# KiCad board m-blanc.kicad_pcb
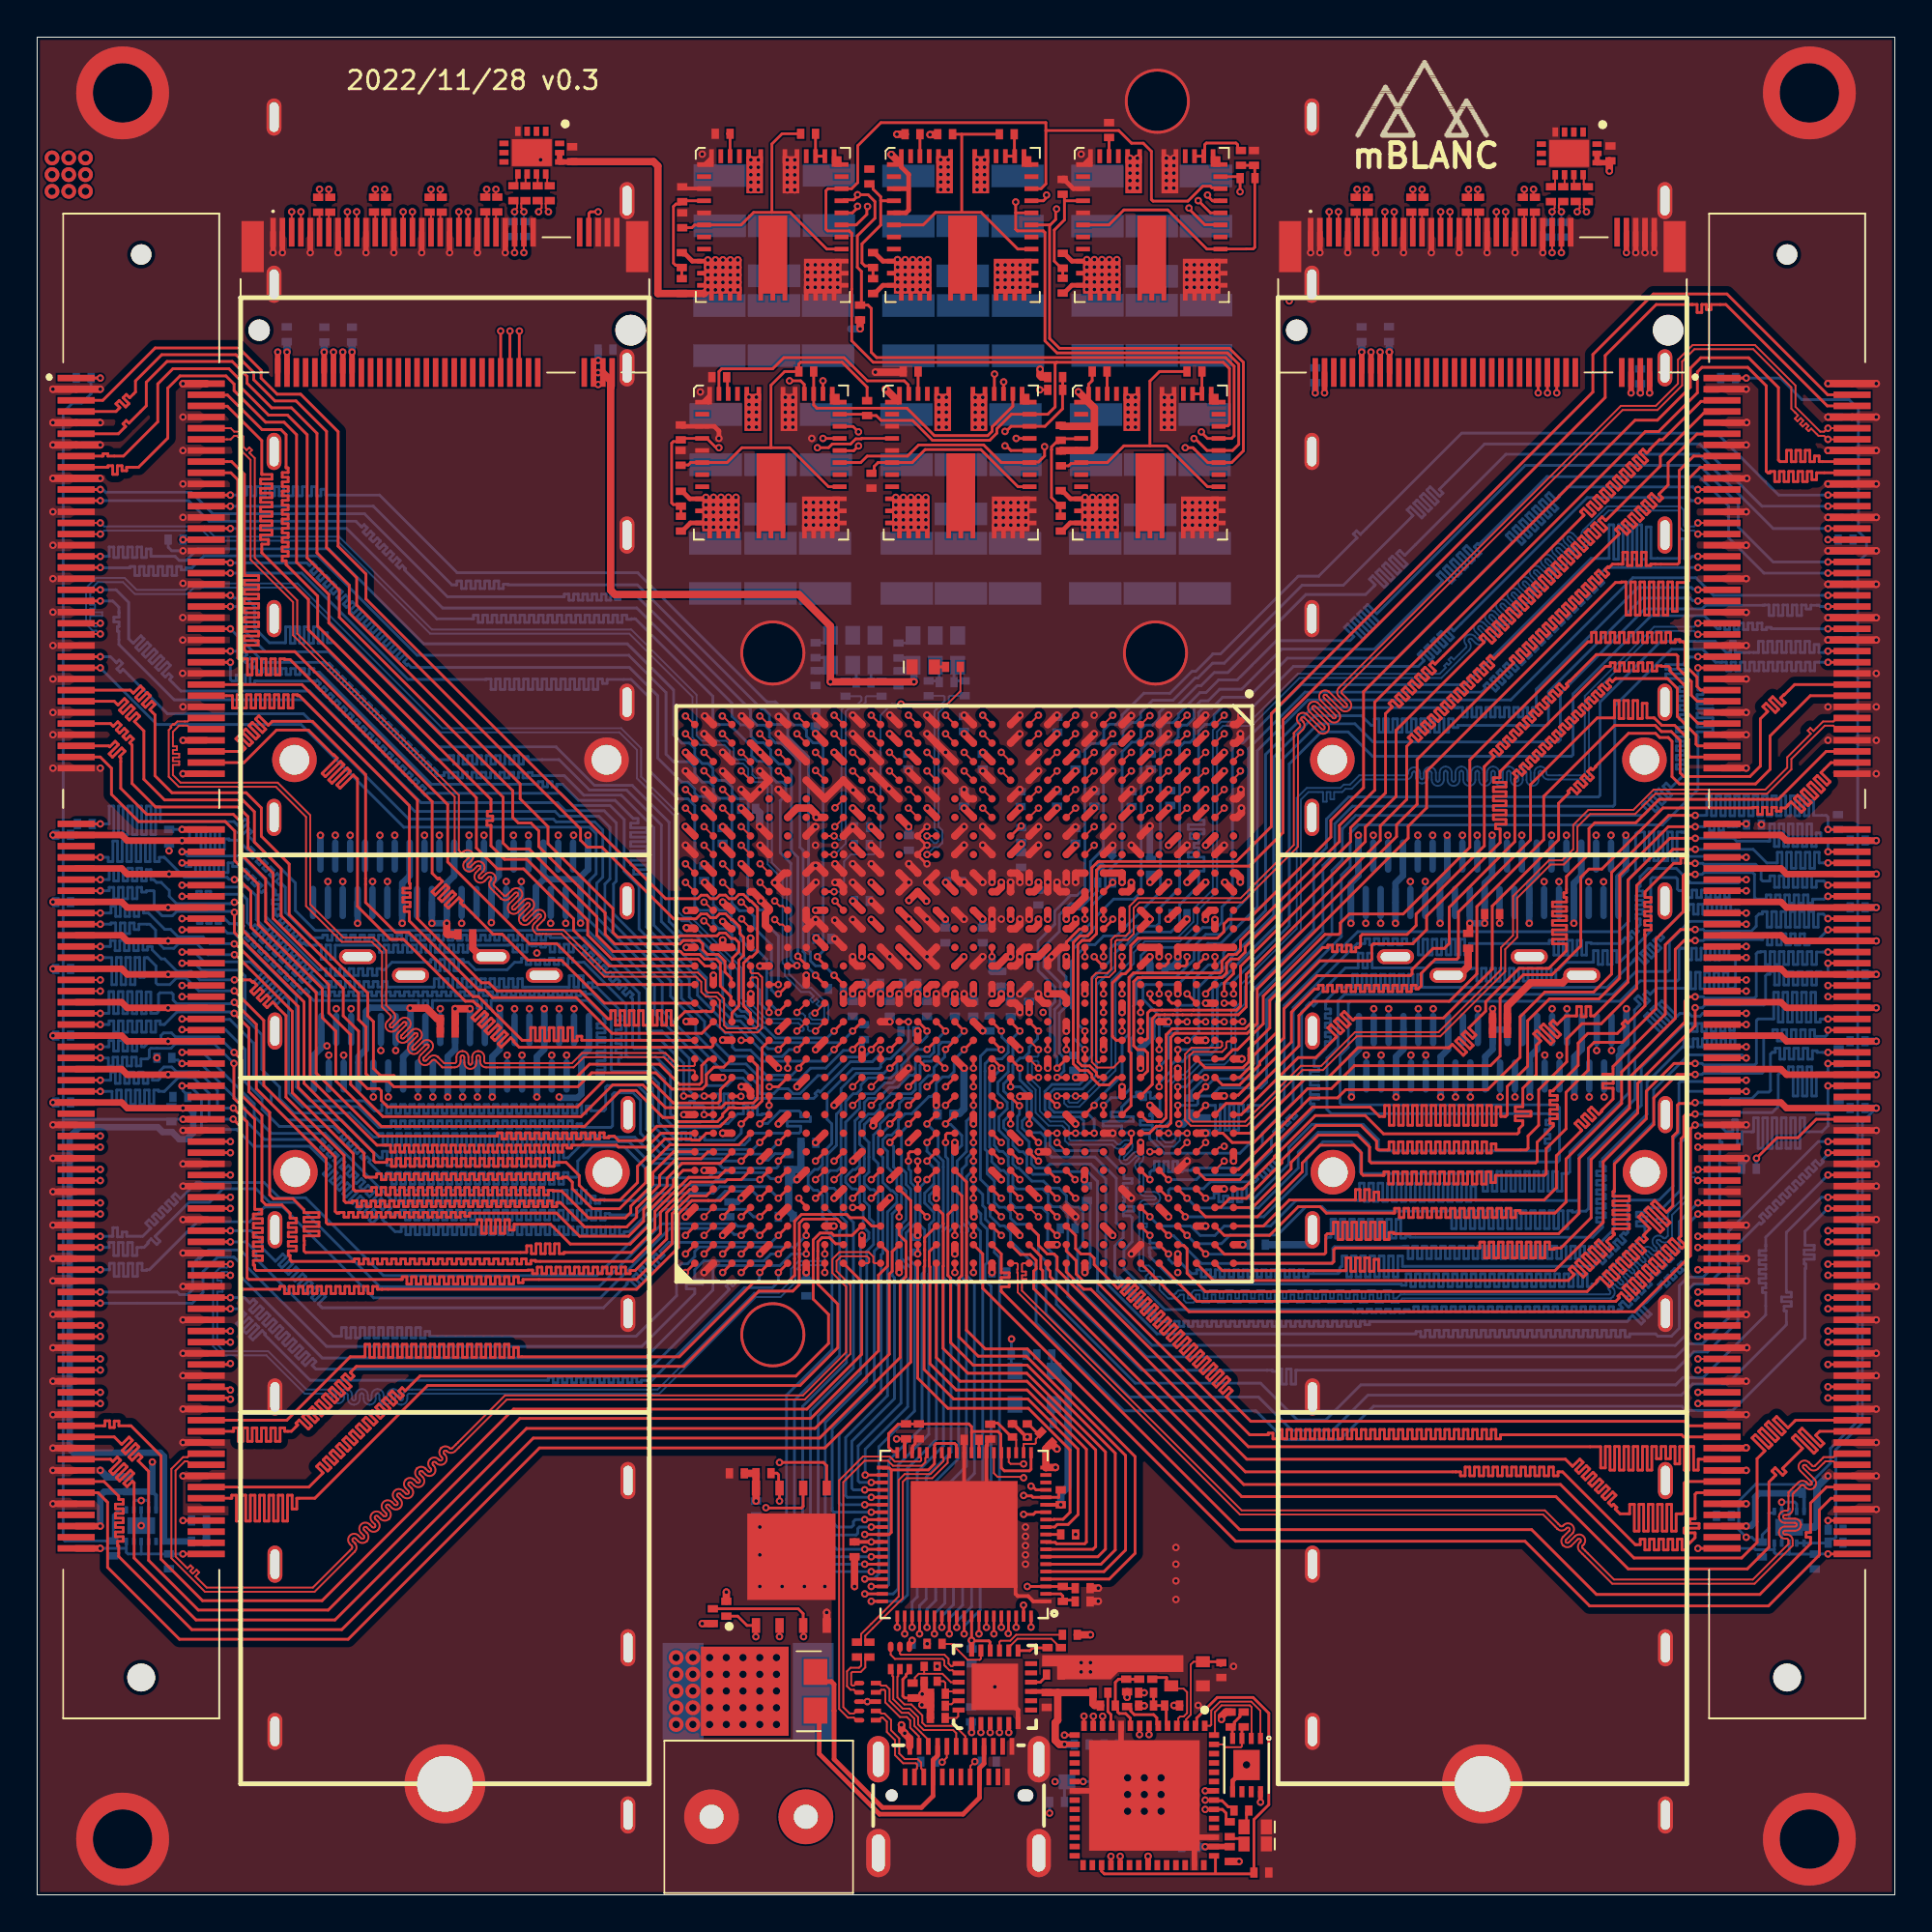
[diagram p0: board, top side]
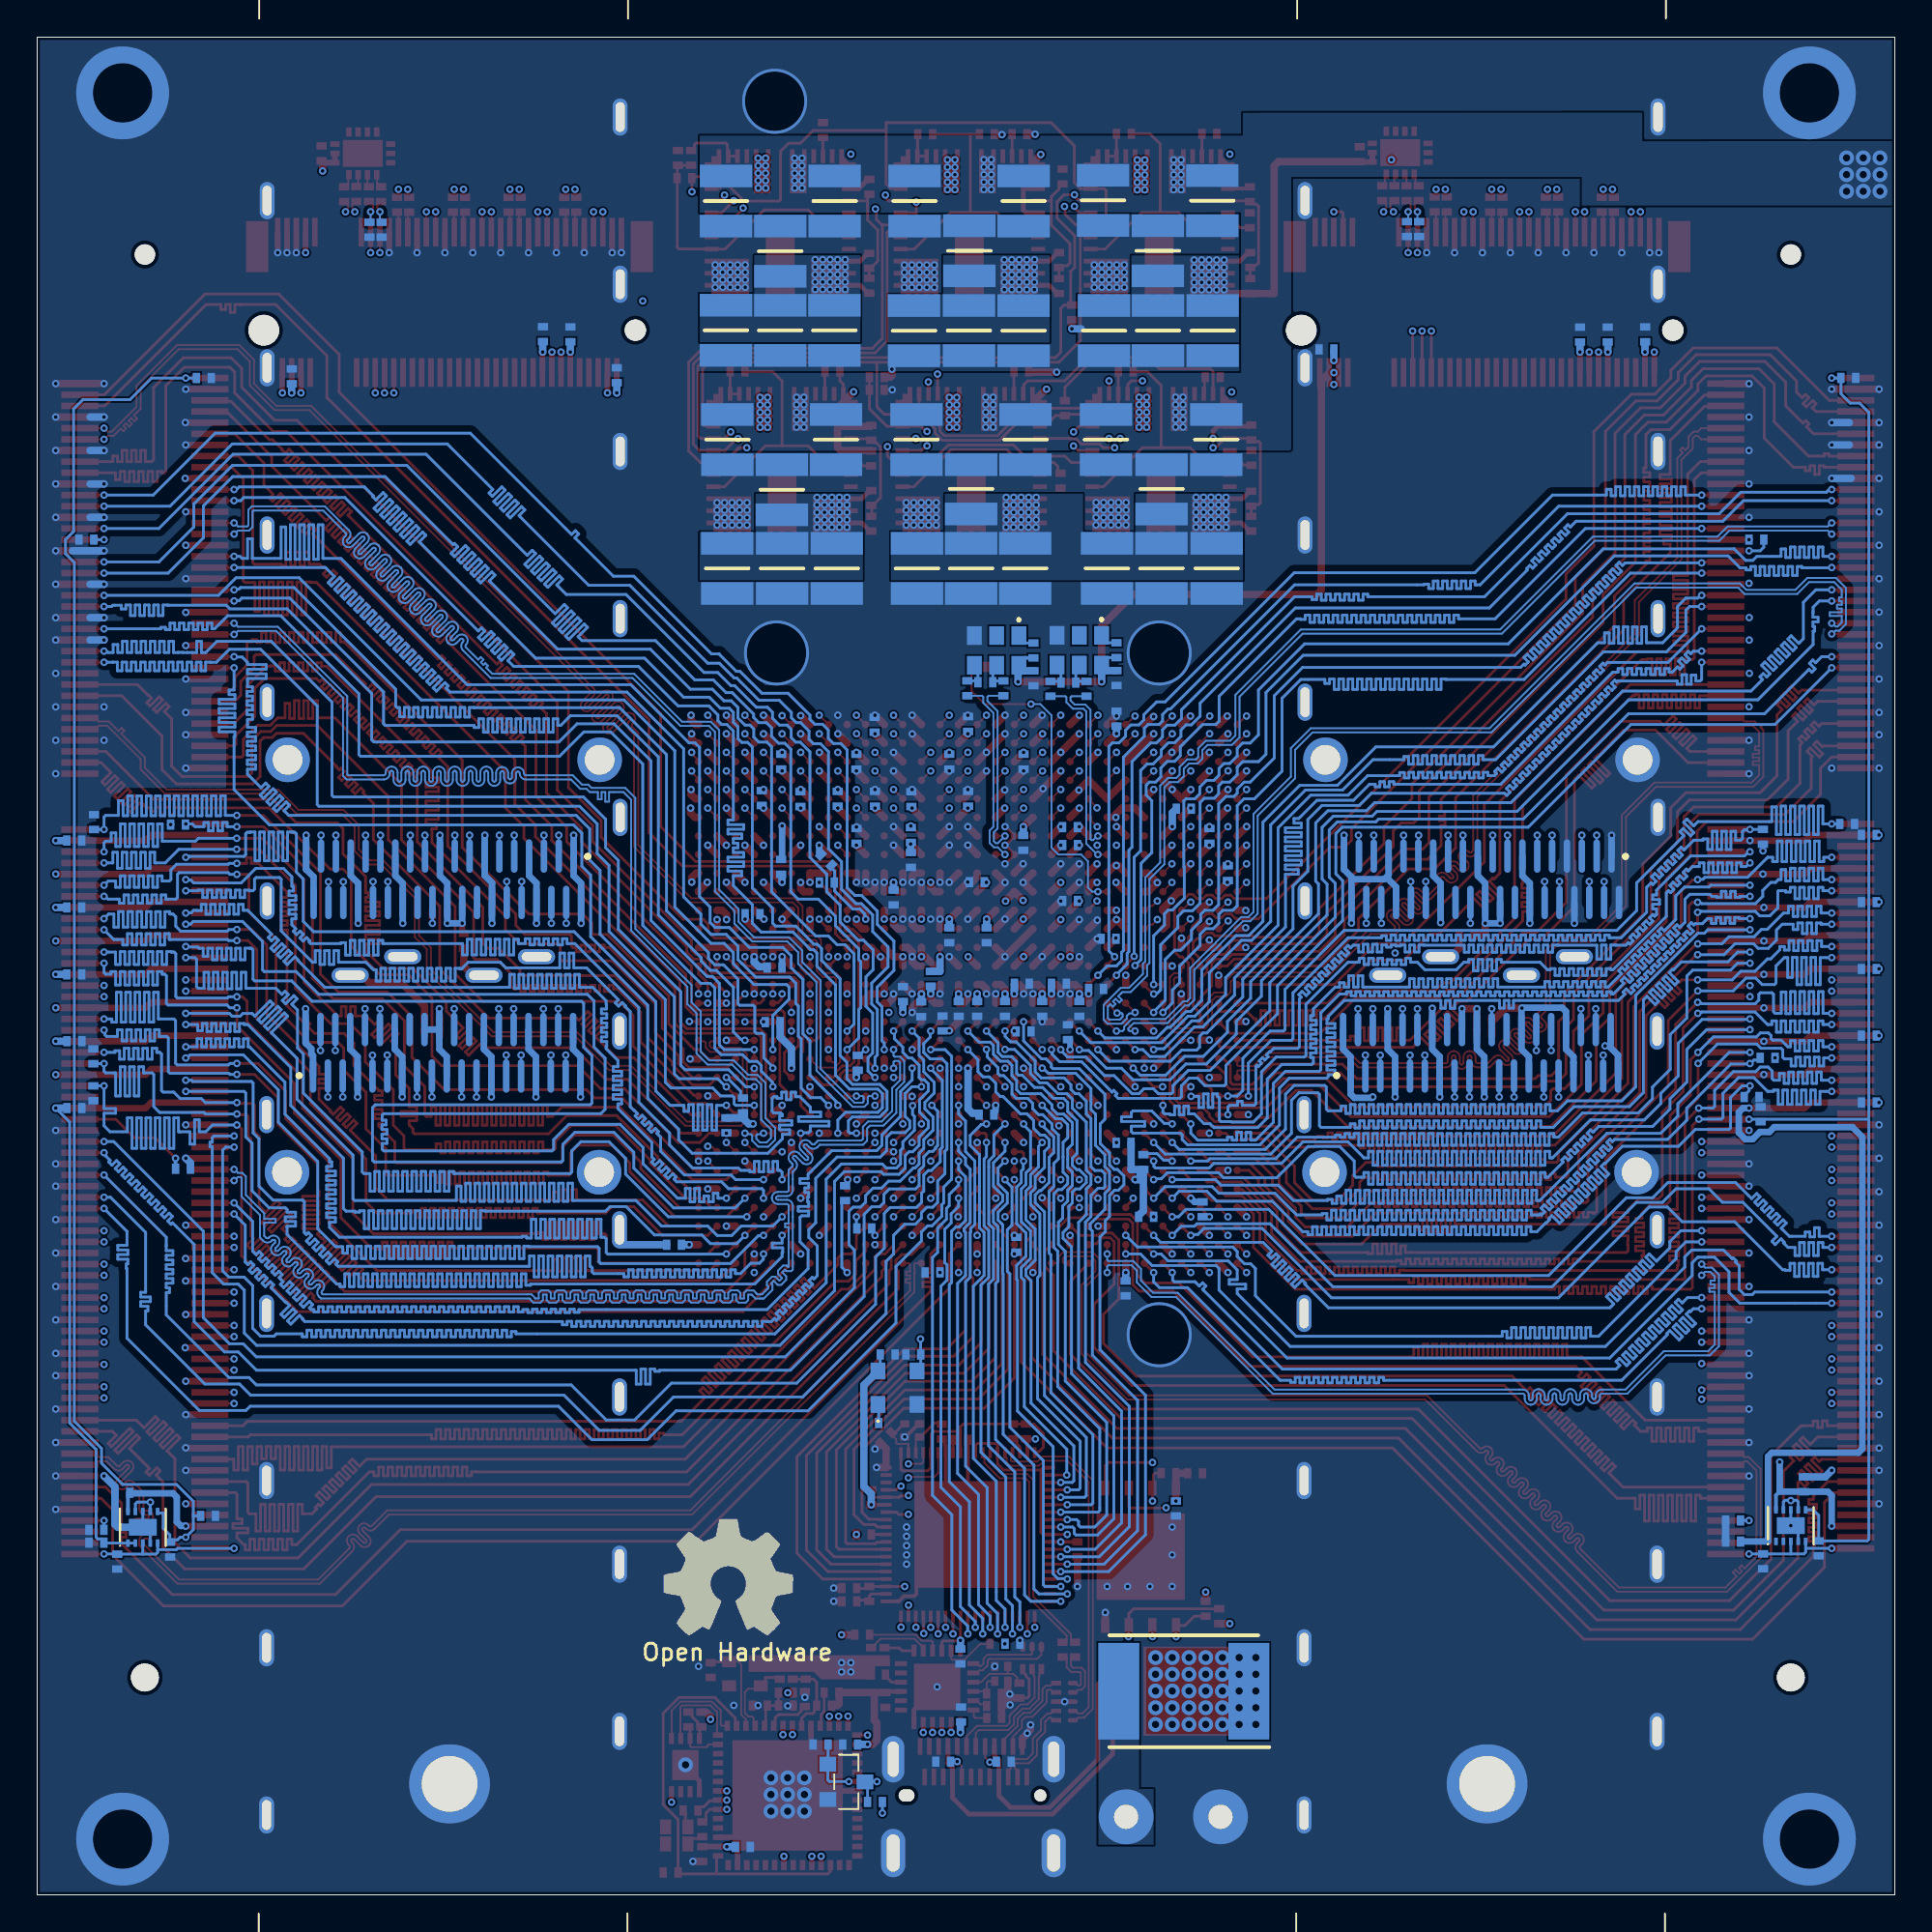
[diagram p1: board, bottom side, seen from below]

Outline 100 x 100 mm; copper layers: Top Layer, InLayer1 (GND), InLayer2 (Signal), InLayer3 (PWR), InLayer4 (GND), Bottom Layer. Coordinates in mm from the lower left corner of the outline.
Outline path: 0,100 100,100 100,0 0,0 0,100

## Placement (name value [footprint] x y rotation side)
C1  0.1u  [SMD0402]  7.22 42.02 270 bottom
C2  0.1u  [SMD0402]  2.51 81.66 0 bottom
C3  0.1u  [SMD0402]  64.2 2.19 90 top
C4  4.7u  [SMD0402]  65.9 1.2 180 top
C5  4.7u  [SMD0402]  56.28 16.51 180 top
C6  4.7u  [SMD0402]  58.62 12.01 270 top
C7  0.1u  [SMD0402]  59.32 12.01 270 top
C8  4.7u  [SMD0402]  61.09 10.19 180 top
C9  0.1u  [SMD0402]  59.69 10.19 0 top
C10  0.1u  [SMD0402]  44 18.6 90 top
C11  0.1u  [SMD0402]  47.46 24.95 90 top
C12  27p  [SMD0402]  63.75 12.1 270 top
C13  0.1u  [SMD0402]  56.28 15.79 0 top
C14  27p  [SMD0402]  60.02 12.01 270 top
C15  0.1u  [SMD0402]  54.34 10.49 270 top
C16  19p  [SMD0402]  48.49 10.83 0 top
C17  19p  [SMD0402]  54.3 24.6 315 top
C18  19p  [SMD0402]  51.3 24.93 270 top
C19  1u  [SMD0402]  54.73 11.85 0 top
C20  0.1u  [SMD0402]  48.49 10.17 180 top
C21  19p  [SMD0402]  47.12 11 90 top
C22  0.1u  [SMD0402]  37.27 36.9 270 bottom
C23  0.1u  [SMD0402]  91.03 81.65 0 bottom
C24  0.1u  [SMD0402]  90.8 20.4 0 bottom
C25  0.1u  [SMD0402]  55.47 35.87 180 bottom
C26  10u  [SMD0402]  7.09 17.96 270 bottom
C27  10u  [SMD0402]  95.69 17.94 270 bottom
C28  0.22u  [SMD0402]  4.1 18.65 90 bottom
C29  0.22u  [SMD0402]  92.84 18.59 90 bottom
C30  10u  [SMD0402]  8.71 19.02 0 bottom
C31  0.1u  [SMD0402]  4.9 22.1 90 bottom
C32  10u  [SMD0402]  96.81 18.96 0 bottom
C33  0.1u  [SMD0402]  95.41 21.64 0 bottom
C34  22uF  [CAPC3225X280N]  42.46 78.34 90 bottom
C35  1uF  [CAPC3225X280N]  36.53 78.34 90 bottom
C36  10n  [SMD0402]  34.65 73.81 90 top
C37  100uF  [CAPC3225X280N]  36.51 71.4 270 bottom
C38  100uF  [CAPC3225X280N#3]  39.47 75.68 90 bottom
C39  100uF  [CAPC3225X280N]  39.48 71.4 270 bottom
C40  100uF  [CAPC3225X280N]  42.41 71.4 270 bottom
C41  1u  [SMD0402]  34.64 77.35 270 top
C42  22uF  [CAPC3225X280N]  46.8 78.34 90 bottom
C43  1uF  [CAPC3225X280N]  52.66 78.34 90 bottom
C44  1u  [SMD0402]  44.91 76.12 90 top
C45  22uF  [CAPC3225X280N]  57 78.34 90 bottom
C46  1uF  [CAPC3225X280N]  62.85 78.34 90 bottom
C47  10n  [SMD0402]  55.1 73.81 90 top
C48  100uF  [CAPC3225X280N]  56.96 71.4 270 bottom
C49  100uF  [CAPC3225X280N#2]  59.91 75.64 90 bottom
C50  100uF  [CAPC3225X280N]  59.9 71.4 270 bottom
C51  100uF  [CAPC3225X280N]  62.85 71.4 270 bottom
C52  1u  [SMD0402]  55.11 77.33 270 top
C53  22uF  [CAPC3225X280N]  57.07 91.18 90 bottom
C54  1uF  [CAPC3225X280N]  62.92 91.18 90 bottom
C55  10n  [SMD0402]  55.21 87.96 270 top
C56  100uF  [CAPC3225X280N]  57.08 84.21 270 bottom
C57  100uF  [CAPC3225X280N]  60 84.22 270 bottom
C58  100uF  [CAPC3225X280N]  60 88.48 90 bottom
C59  100uF  [CAPC3225X280N]  62.92 84.22 270 bottom
C60  1u  [SMD0402]  65.5 93.5 270 top
C61  22uF  [CAPC3225X280N]  46.9 91.18 90 bottom
C62  1uF  [CAPC3225X280N]  52.77 91.18 90 bottom
C63  10n  [SMD0402]  44.99 86.6 90 top
C64  100uF  [CAPC3225X280N]  49.82 88.5 90 bottom
C65  100uF  [CAPC3225X280N]  46.9 84.2 270 bottom
C66  100uF  [CAPC3225X280N]  49.84 84.21 270 bottom
C67  100uF  [CAPC3225X280N]  52.8 84.2 270 bottom
C68  1u  [SMD0402]  48.88 94.78 0 top
C69  22uF  [CAPC3225X280N]  36.74 91.2 90 bottom
C70  1uF  [CAPC3225X280N]  42.62 91.21 90 bottom
C71  10n  [SMD0402]  34.7 86.6 90 top
C72  100uF  [CAPC3225X280N]  36.72 84.21 270 bottom
C73  100uF  [CAPC3225X280N]  39.67 84.21 270 bottom
C74  100uF  [CAPC3225X280N]  39.67 88.5 90 bottom
C75  100uF  [CAPC3225X280N]  42.57 84.2 270 bottom
C76  1u  [SMD0402]  34.72 90.14 270 top
C77  100uF  [CAPC3225X280N]  46.82 71.4 270 bottom
C78  100uF  [CAPC3225X280N#3]  49.72 75.68 90 bottom
C79  100uF  [CAPC3225X280N]  49.72 71.4 270 bottom
C80  100uF  [CAPC3225X280N]  52.64 71.4 270 bottom
C81  0.1u  [SMD0402]  44.8 13.2 270 top
C82  0.1u  [SMD0402]  44.13 13.2 270 top
C83  0.1u  [SMD0402]  54.22 29.09 180 bottom
C84  12p  [SMD0402]  52.84 29.09 180 bottom
C85  0.1u  [SMD0402]  43.51 64.92 270 bottom
C86  0.1u  [SMD0402]  45.46 64.92 270 bottom
C87  0.1u  [SMD0402]  27.59 91.6 90 top
C88  0.1u  [SMD0402]  26.94 91.6 90 top
C89  0.1u  [SMD0402]  28.8 93.7 270 top
C90  0.1u  [SMD0402]  84.69 93.74 270 top
C91  0.1u  [SMD0402]  83.48 91.55 90 top
C92  0.1u  [SMD0402]  82.82 91.56 90 top
C93  0.1u  [SMD0402]  24.77 90.99 270 top
C94  0.1u  [SMD0402]  80.62 90.98 270 top
C95  0.1u  [SMD0402]  24.12 90.99 270 top
C96  0.1u  [SMD0402]  79.97 90.98 270 top
C97  0.1u  [SMD0402]  21.78 90.98 270 top
C98  0.1u  [SMD0402]  77.62 90.98 270 top
C99  0.1u  [SMD0402]  21.13 90.98 270 top
C100  0.1u  [SMD0402]  76.96 90.98 270 top
C101  0.1u  [SMD0402]  18.78 90.98 270 top
C102  0.1u  [SMD0402]  74.63 90.98 270 top
C103  0.1u  [SMD0402]  18.13 90.99 270 top
C104  0.1u  [SMD0402]  73.97 90.98 270 top
C105  0.1u  [SMD0402]  15.78 90.98 270 top
C106  0.1u  [SMD0402]  71.63 90.98 270 top
C107  0.1u  [SMD0402]  15.13 90.98 270 top
C108  0.1u  [SMD0402]  70.98 90.98 270 top
C109  0.1u  [SMD0402]  38.28 58.47 180 bottom
C110  0.1u  [SMD0402]  61 59.04 270 bottom
C111  0.1u  [SMD0402]  52.94 58.98 270 bottom
C112  0.1u  [SMD0402]  46.92 56.63 90 bottom
C113  0.1u  [SMD0402]  56.91 59 270 bottom
C114  0.1u  [SMD0402]  43.9 47.69 90 bottom
C115  0.1u  [SMD0402]  47.9 47.69 90 bottom
C116  0.1u  [SMD0402]  61.49 52.79 180 bottom
C117  0.1u  [SMD0402]  44.4 53.5 180 bottom
C118  0.1u  [SMD0402]  52.41 47.67 90 bottom
C119  1u  [SMD0402]  58.92 58.98 270 bottom
C120  1u  [SMD0402]  54.9 59 270 bottom
C121  1u  [SMD0402]  49.89 59 270 bottom
C122  1u  [SMD0402]  53.9 53.69 90 bottom
C123  1u  [SMD0402]  36.9 57 90 bottom
C124  1u  [SMD0402]  49.41 54.51 180 bottom
C125  1u  [SMD0402]  45.89 47.69 90 bottom
C126  1u  [SMD0402]  50.39 47.69 90 bottom
C127  1u  [SMD0402]  48.89 51.65 90 bottom
C128  1u  [SMD0402]  50.9 51.65 90 bottom
C129  1u  [SMD0402]  59.95 55.34 270 bottom
C130  1u  [SMD0402]  54.92 62.99 270 bottom
C131  1u  [SMD0402]  59.95 61 90 bottom
C132  1u  [SMD0402]  49.89 63.03 270 bottom
C133  1u  [SMD0402]  55.9 61 90 bottom
C134  0.1u  [SMD0402]  50.9 61 90 bottom
C135  0.1u  [SMD0402]  52.97 55.71 90 bottom
C136  0.1u  [SMD0402]  41.9 63.31 270 bottom
C137  0.1u  [SMD0402]  46.9 61 90 bottom
C138  0.1u  [SMD0402]  35.9 55 90 bottom
C139  0.1u  [SMD0402]  43 48.76 0 bottom
C140  0.1u  [SMD0402]  44.52 46.44 270 bottom
C141  0.1u  [SMD0402]  41.52 40.48 0 bottom
C142  0.1u  [SMD0402]  40.3 36.5 180 bottom
C143  0.1u  [SMD0402]  41.41 32.64 90 bottom
C144  0.1u  [SMD0402]  51.8 33.51 180 bottom
C145  0.1u  [SMD0402]  56.51 37.77 90 bottom
C146  0.1u  [SMD0402]  65.72 35 180 bottom
C147  0.1u  [SMD0402]  98 56.75 0 bottom
C148  0.1u  [SMD0402]  1.4 57.06 180 bottom
C149  0.1u  [SMD0402]  55.9 57 270 bottom
C150  0.1u  [SMD0402]  44.41 57.48 0 bottom
C151  0.1u  [SMD0402]  44.4 56.51 180 bottom
C152  0.1u  [SMD0402]  45 49.05 0 bottom
C153  0.1u  [SMD0402]  47 49.05 0 bottom
C154  0.1u  [SMD0402]  62.01 2.58 0 bottom
C155  0.1u  [SMD0402]  50.3 12.83 90 bottom
C156  0.1u  [SMD0402]  38.7 20.8 90 bottom
C157  0.1u  [SMD0402]  56.24 8.09 180 bottom
C158  0.1u  [SMD0402]  50.27 9.71 270 bottom
C159  0.1u  [SMD0402]  15.46 83.99 270 bottom
C160  0.1u  [SMD0402]  22.1 46.42 0 top
C161  0.1u  [SMD0402]  22.1 47.1 0 top
C162  0.1u  [SMD0402]  37.67 22.69 0 top
C163  0.1u  [SMD0402]  48.9 42 180 bottom
C164  1u  [SMD0402]  77.03 51.35 90 top
C165  1u  [SMD0402]  71.3 84 270 bottom
C166  1u  [SMD0402]  68.8 81.8 270 bottom
C167  1u  [SMD0402]  86.29 81.74 270 bottom
C168  0.1u  [SMD0402]  30.6 83.19 180 bottom
C169  0.1u  [SMD0402]  13.44 84 270 bottom
C170  0.1u  [SMD0402]  23.05 51.7 180 top
C171  0.1u  [SMD0402]  78.75 47.19 180 top
C172  0.1u  [SMD0402]  62 42.49 90 bottom
C173  0.1u  [SMD0402]  55.82 44.79 90 bottom
C174  0.1u  [SMD0402]  92.15 39.09 0 bottom
C175  0.1u  [SMD0402]  41.9 65.5 270 bottom
C176  0.1u  [SMD0402]  46.37 65.49 270 bottom
C177  0.1u  [SMD0402]  47.99 64.95 270 bottom
C178  0.1u  [SMD0402]  49.93 64.95 270 bottom
C179  0.1u  [SMD0402]  49.4 47.69 90 bottom
C180  0.1u  [SMD0402]  53.39 48.49 270 bottom
C181  0.1u  [SMD0402]  60.3 49.92 180 bottom
C182  0.1u  [SMD0402]  57.52 55.7 225 bottom
C183  0.1u  [SMD0402]  60.4 46.98 0 bottom
C184  0.1u  [SMD0402]  42.33 51.47 180 bottom
C185  0.1u  [SMD0402]  51.27 46.91 270 bottom
C186  0.1u  [SMD0402]  46.9 46.48 0 bottom
C187  0.1u  [SMD0402]  78.75 46.4 180 top
C188  0.1u  [SMD0402]  16.94 83.99 270 bottom